# Altium PCB Xduino_Uno_Rev3.02.PcbDoc (part 1 of 3) (continued)
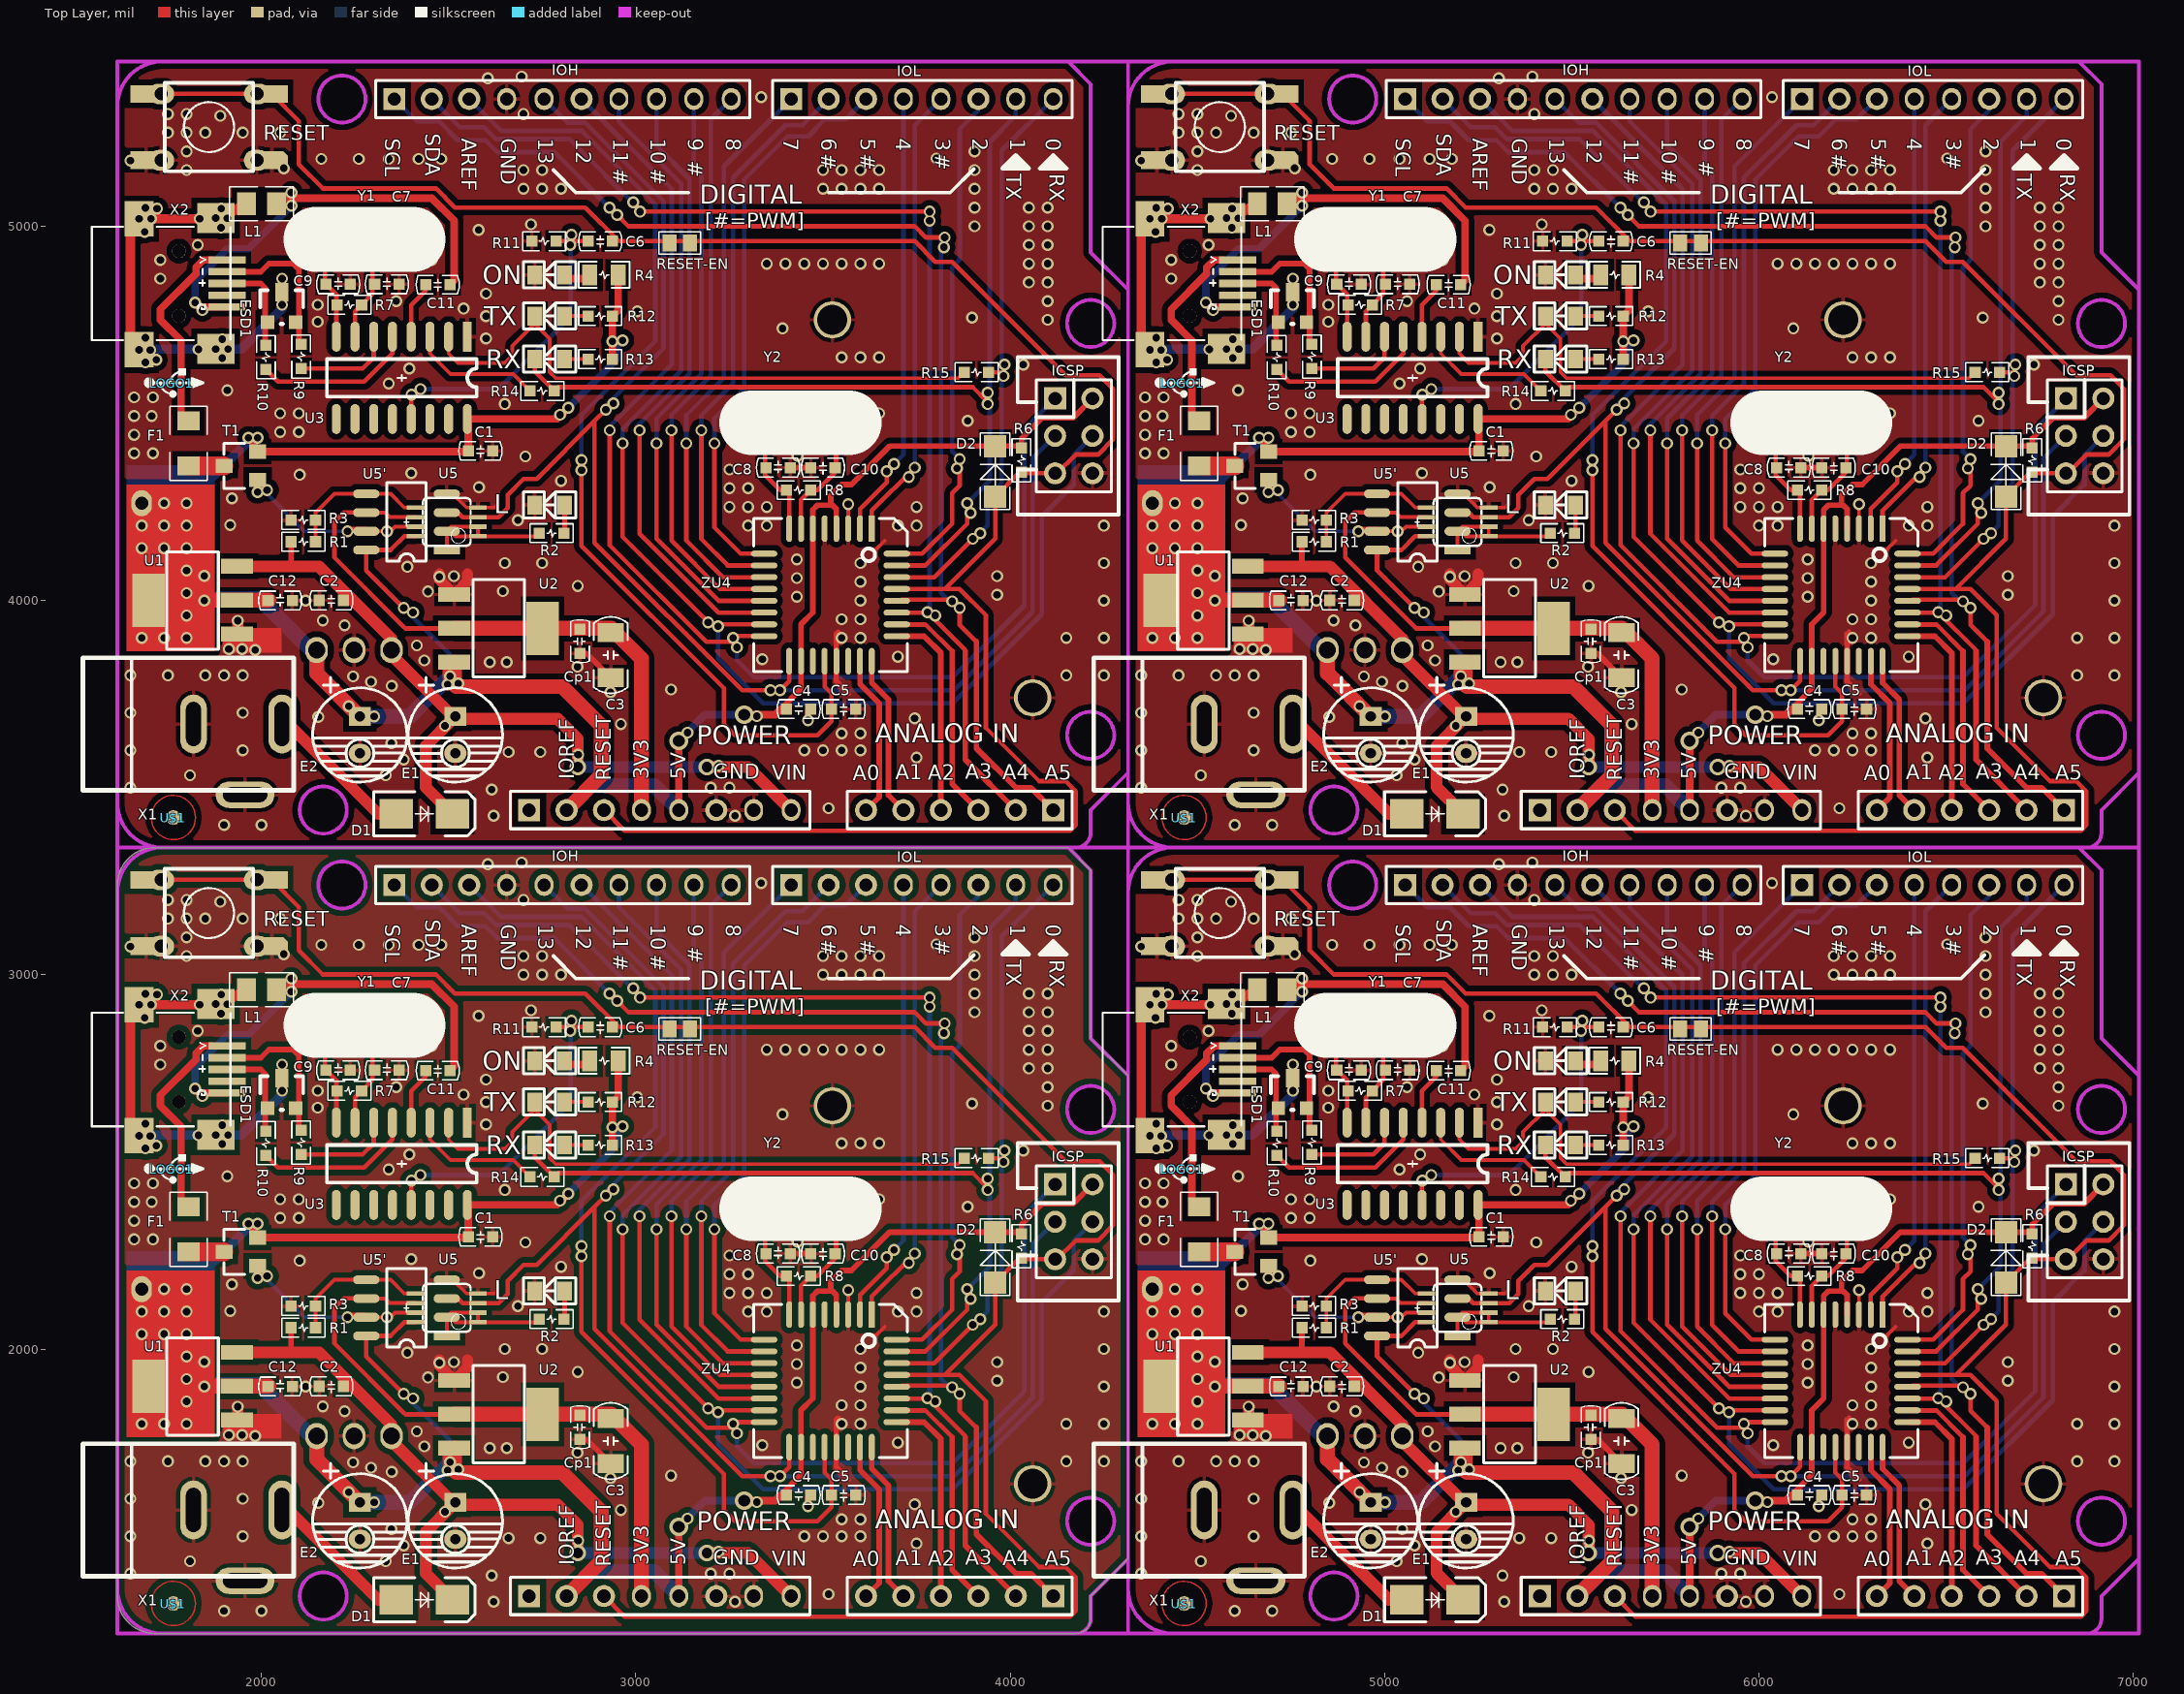
[diagram p0: Top Layer view]
## Components (designator, comment, footprint, x,y, rotation, side; value= is the part's Value field where it differs from the comment) (continued)
POWER "单排插座 1×9T" HDR1X8Z 2715,1340 r0 top
R1 "RC0603FR-0712KL" 0603R 4812,4157 r0 top
R1 "RC0603FR-0712KL" 0603R 2112,4157 r0 top
R1 "RC0603FR-0712KL" 0603R 4812,2057 r0 top
R1 "RC0603FR-0712KL" 0603R 2112,2057 r0 top
R2 "RC0603JR-073K6L" 0603R 5475,4180 r0 top
R2 "RC0603JR-073K6L" 0603R 2775,4180 r0 top
R2 "RC0603JR-073K6L" 0603R 5475,2080 r0 top
R2 "RC0603JR-073K6L" 0603R 2775,2080 r0 top
R3 "RC0603FR-0712KL" 0603R 4812,4215 r180 top
R3 "RC0603FR-0712KL" 0603R 2112,4215 r180 top
R3 "RC0603FR-0712KL" 0603R 4812,2115 r180 top
R3 "RC0603FR-0712KL" 0603R 2112,2115 r180 top
R4 "RC0805JR-072K2L" 0805/R 5615,4870 r0 top
R4 "RC0805JR-072K2L" 0805/R 2915,4870 r0 top
R4 "RC0805JR-072K2L" 0805/R 5615,2770 r0 top
R4 "RC0805JR-072K2L" 0805/R 2915,2770 r0 top
R6 "RC0603FR-0712KL" 0603R 6730,4375 r270 top
R6 "RC0603FR-0712KL" 0603R 4030,4375 r270 top
R6 "RC0603FR-0712KL" 0603R 6730,2275 r270 top
R6 "RC0603FR-0712KL" 0603R 4030,2275 r270 top
R7 "1MΩ" 0603R 4935,4790 r180 top
R7 "1MΩ" 0603R 2235,4790 r180 top
R7 "1MΩ" 0603R 4935,2690 r180 top
R7 "1MΩ" 0603R 2235,2690 r180 top
R8 "1MΩ" 0603R 6135,4295 r0 top
R8 "1MΩ" 0603R 3435,4295 r0 top
R8 "1MΩ" 0603R 6135,2195 r0 top
R8 "1MΩ" 0603R 3435,2195 r0 top
R9 "RC0603JR-0730RL" 0603R 4806,4652 r90 top
R9 "RC0603JR-0730RL" 0603R 2106,4652 r90 top
R9 "RC0603JR-0730RL" 0603R 4806,2552 r90 top
R9 "RC0603JR-0730RL" 0603R 2106,2552 r90 top
R10 "RC0603JR-0730RL" 0603R 4712,4650 r90 top
R10 "RC0603JR-0730RL" 0603R 2012,4650 r90 top
R10 "RC0603JR-0730RL" 0603R 4712,2550 r90 top
R10 "RC0603JR-0730RL" 0603R 2012,2550 r90 top
R11 "RC0603FR-0712KL" 0603R 5455,4960 r180 top
R11 "RC0603FR-0712KL" 0603R 2755,4960 r180 top
R11 "RC0603FR-0712KL" 0603R 5455,2860 r180 top
R11 "RC0603FR-0712KL" 0603R 2755,2860 r180 top
R12 "RC0603JR-073K6L" 0603R 5605,4760 r180 top
R12 "RC0603JR-073K6L" 0603R 2905,4760 r180 top
R12 "RC0603JR-073K6L" 0603R 5605,2660 r180 top
R12 "RC0603JR-073K6L" 0603R 2905,2660 r180 top
R13 "RC0603JR-073K6L" 0603R 5605,4645 r180 top
R13 "RC0603JR-073K6L" 0603R 2905,4645 r180 top
R13 "RC0603JR-073K6L" 0603R 5605,2545 r180 top
R13 "RC0603JR-073K6L" 0603R 2905,2545 r180 top
R14 "RC0603JR-07910RL" 0603R 5450,4560 r180 top
R14 "RC0603JR-07910RL" 0603R 2750,4560 r180 top
R14 "RC0603JR-07910RL" 0603R 5450,2460 r180 top
R14 "RC0603JR-07910RL" 0603R 2750,2460 r180 top
R15 "RC0603JR-07910RL" 0603R 6610,4610 r180 top
R15 "RC0603JR-07910RL" 0603R 3910,4610 r180 top
R15 "RC0603JR-07910RL" 0603R 6610,2510 r180 top
R15 "RC0603JR-07910RL" 0603R 3910,2510 r180 top
RESET "贴片按钮 6×6×7" 按钮/SO 4560,5265 r0 top
RESET "贴片按钮 6×6×7" 按钮/SO 1860,5265 r0 top
RESET "贴片按钮 6×6×7" 按钮/SO 4560,3165 r0 top
RESET "贴片按钮 6×6×7" 按钮/SO 1860,3165 r0 top
RESET-EN "" 0101 5790,4955 r0 top
RESET-EN "" 0101 3090,4955 r0 top
RESET-EN "" 0101 5790,2855 r0 top
RESET-EN "" 0101 3090,2855 r0 top
RX "BL-HRB35A-TRB (0805 黄色)" LED0805-Y 5470,4645 r180 top
RX "BL-HRB35A-TRB (0805 黄色)" LED0805-Y 2770,4645 r180 top
RX "BL-HRB35A-TRB (0805 黄色)" LED0805-Y 5470,2545 r180 top
RX "BL-HRB35A-TRB (0805 黄色)" LED0805-Y 2770,2545 r180 top
T1 "IRLML6402TRPBF" MOSFET 4645,4360 r90 top
T1 "IRLML6402TRPBF" MOSFET 1945,4360 r90 top
T1 "IRLML6402TRPBF" MOSFET 4645,2260 r90 top
T1 "IRLML6402TRPBF" MOSFET 1945,2260 r90 top
TX "BL-HRB35A-TRB (0805 黄色)" LED0805-Y 5470,4760 r180 top
TX "BL-HRB35A-TRB (0805 黄色)" LED0805-Y 2770,4760 r180 top
TX "BL-HRB35A-TRB (0805 黄色)" LED0805-Y 5470,2660 r180 top
TX "BL-HRB35A-TRB (0805 黄色)" LED0805-Y 2770,2660 r180 top
U1 "LM1117-5.0" SOT223 4635,3910 r90 top
U1 "LM1117-5.0" SOT223 1935,3910 r90 top
U1 "LM1117-5.0" SOT223 4635,1810 r90 top
U1 "LM1117-5.0" SOT223 1935,1810 r90 top
U2 "LM1117MPX-3.3" SOT223 5215,4016 r270 top
U2 "LM1117MPX-3.3" SOT223 2515,4016 r270 top
U2 "LM1117MPX-3.3" SOT223 5215,1916 r270 top
U2 "LM1117MPX-3.3" SOT223 2515,1916 r270 top
U3 "CH340G SOP16" SO-16 5075,4595 r270 top
U3 "CH340G SOP16" SO-16 2375,4595 r270 top
U3 "CH340G SOP16" SO-16 5075,2495 r270 top
U3 "CH340G SOP16" SO-16 2375,2495 r270 top
U5 "LMV358IDGKR" MSOP8-0.65 5195,4210 r180 top
U5 "LMV358IDGKR" MSOP8-0.65 2495,4210 r180 top
U5 "LMV358IDGKR" MSOP8-0.65 5195,2110 r180 top
U5 "LMV358IDGKR" MSOP8-0.65 2495,2110 r180 top
U5' "LMV358IDR" so-8 5195,4135 r180 top
U5' "LMV358IDR" so-8 2495,4135 r180 top
U5' "LMV358IDR" so-8 5195,2035 r180 top
U5' "LMV358IDR" so-8 2495,2035 r180 top
U$1 "*" MARK 4465,3420 r0 top
U$1 "*" MARK 1765,3420 r0 top
U$1 "*" MARK 4465,1320 r0 top
U$1 "*" MARK 1765,1320 r0 top
X1 "DC插座 WD-DCPJ-S3RYB2-N-055" DC_IN 4518.41,3670 r90 top
X1 "DC插座 WD-DCPJ-S3RYB2-N-055" DC_IN 1818.41,3670 r90 top
X1 "DC插座 WD-DCPJ-S3RYB2-N-055" DC_IN 4518.41,1570 r90 top
X1 "DC插座 WD-DCPJ-S3RYB2-N-055" DC_IN 1818.41,1570 r90 top
X2 "MINIUSB" USB-MINI3 4608,4847 r270 top
X2 "MINIUSB" USB-MINI3 1908,4847 r270 top
X2 "MINIUSB" USB-MINI3 4608,2747 r270 top
X2 "MINIUSB" USB-MINI3 1908,2747 r270 top
Y1 "12MHz-49S" XTAL-49S 4975,4965 r180 top
Y1 "12MHz-49S" XTAL-49S 2275,4965 r180 top
Y1 "12MHz-49S" XTAL-49S 4975,2865 r180 top
Y1 "12MHz-49S" XTAL-49S 2275,2865 r180 top
Y2 "16MHz-49S" XTAL-49S 6140,4475 r0 top
Y2 "16MHz-49S" XTAL-49S 3440,4475 r0 top
Y2 "16MHz-49S" XTAL-49S 6140,2375 r0 top
Y2 "16MHz-49S" XTAL-49S 3440,2375 r0 top
ZU4 "ATMEGA328P_32LQFP" LQFP32 6220,4015 r270 top
ZU4 "ATMEGA328P_32LQFP" LQFP32 3520,4015 r270 top
ZU4 "ATMEGA328P_32LQFP" LQFP32 6220,1915 r270 top
ZU4 "ATMEGA328P_32LQFP" LQFP32 3520,1915 r270 top

## Footprints (in the part's own frame and the unit in brackets; to place one, negate y for a bottom-side part, rotate by r counter-clockwise, add the part's x,y. Pads: shape width x height; smd on the part's side, far side on the other; paste and mask are expansions set on the pad)
0101 [mil]
  rect 38x45 smd: 1(0,0) 2(55,0)
  silkscreen extent -28,-30 83,30
0603C [mil]
  rect 30x30 smd: 1(-32.5,0) 2(32.5,0)
  silkscreen extent -58,-25 58,25, body extent -29,-15 33,16, height 18
0603R [mil] "FT封?"
  rect 30x30 smd: 1(-32.5,0) 2(32.5,0)
  silkscreen extent -58,-25 58,25, body extent -31,-14 32,17, height 18
0805/R [mil]
  rect 40x55 smd: 1(-38,0) 2(38,0)
  silkscreen extent -68,-35 68,35, body extent -39,-25 40,25, height 22
1206C [mil]
  rect 50x70 smd: 1(-60,0) 2(60,0)
  silkscreen extent -102,-45 102,45, body extent -64,-31 62,32, height 22
D1206 [mil]
  rect 60x60 smd: A(-67.5,0) K(67.5,0)
  silkscreen extent -102,-40 102,40, body extent -66,-30 71,29, height 59
DC_IN [mm] "电?"
  oval 4x1.8 hole 1 slot 3 at 0 deg: 1(0,0) 3(0,-6)
  oval 1.8x4 hole 1 slot 3 at 90 deg: 2(-4.8,-3.5)
  silkscreen extent -4.5,-6.8 4.5,7.5, body extent -4.78,-6.26 4.73,7.56, height 11.25
HDR1X6Z [mm] "Connector; Header; 5 Position"
  rect 1.5x1.5 hole 0.9: 1(0,0)
  round 1.5 hole 0.9: 2(2.54,0) 3(5.08,0) 4(7.62,0) 5(10.16,0) 6(12.7,0)
  silkscreen extent -1.27,-1.27 13.97,1.27, body extent -1.27,-1.25 13.97,1.25, height 8.65
HDR1X8Z [mm] "Connector; Header; 8 Position"
  rect 1.5x1.5 hole 0.9: 1(0,0)
  round 1.5 hole 0.9: 2(2.54,0) 3(5.08,0) 6(12.7,0)
  oval 1.27x1.5 hole 0.9: 4(7.62,0) 5(10.16,0) 7(15.24,0) 8(17.78,0)
  silkscreen extent -1.27,-1.27 19.05,1.27, body extent -1.27,-1.25 19.05,1.25, height 8.65
HDR1X10Z [mm] "Connector; Header; 10 Position"
  rect 1.5x1.5 hole 0.9: 1(0,0)
  round 1.5 hole 0.9: 2(2.54,0) 3(5.08,0) 6(12.7,0)
  oval 1.27x1.5 hole 0.9: 4(7.62,0) 5(10.16,0) 7(15.24,0) 8(17.78,0) 9(20.32,0) 10(22.86,0)
  silkscreen extent -1.27,-1.27 24.13,1.27, body extent -1.27,-1.25 24.13,1.25, height 8.65
HDR2X3 [mm] "Connector; Header; 3x2 Position"
  rect 1.5x1.5 hole 0.9: 1(0,0)
  round 1.5 hole 0.9: 2(0,2.54) 3(2.54,0) 4(2.54,2.54) 5(5.08,0) 6(5.08,2.54)
  silkscreen extent -1.27,-1.27 6.35,3.81, body extent -1.28,-1.27 6.34,3.81, height 8.7
L0805 [mil]
  rect 50x60 smd: 1(-40,0) 2(40,0)
  silkscreen extent -85,-45 85,45, body extent -39,-23 39,24, height 37
L1206 [mil]
  rect 50x60 smd: 1(-60,0) 2(60,0)
  silkscreen extent -99,-50 99,50, body extent -61,-32 65,31, height 43
LED0805-R [mil] "蓝?"
  rect 40x50 smd: A(-40,0) K(40,0)
  silkscreen extent -70,-35 70,35, body extent -41,-27 41,27, height 35
LED0805-Y [mil] "蓝?"
  rect 40x50 smd: A(-40,0) K(40,0)
  silkscreen extent -70,-35 70,35, body extent -40,-25 40,25, height 43
LQFP32 [mm] "RS_R5F212G4"
  rect 1.8x0.4 smd: 1(-4.5,2.8)
  oval 1.8x0.4 smd: 2(-4.5,2) 3(-4.5,1.2) 4(-4.5,0.4) 5(-4.5,-0.4) 6(-4.5,-1.2) 7(-4.5,-2) 8(-4.5,-2.8) 17(4.5,-2.8) 18(4.5,-2) 19(4.5,-1.2) 20(4.5,-0.4) 21(4.5,0.4) 22(4.5,1.2) 23(4.5,2) 24(4.5,2.8)
  oval 0.4x1.8 smd: 9(-2.8,-4.502) 10(-2,-4.502) 11(-1.2,-4.502) 12(-0.4,-4.502) 13(0.4,-4.502) 14(1.2,-4.502) 15(2,-4.502) 16(2.8,-4.502) 25(2.8,4.498) 26(2,4.498) 27(1.2,4.498) 28(0.4,4.498) 29(-0.4,4.498) 30(-1.2,4.498) 31(-2,4.498) 32(-2.8,4.498)
  silkscreen extent -5.2,-5.2 5.2,5.2, body extent -4.5,-4.5 4.5,4.5, height 1.6
M7 [mil] "FT lib"
  rect 89.37x80 smd: A(-75,0) K(75,0)
  silkscreen extent -135,-59 135,59, body extent -88,-52 94,54, height 94
MARK [mm]
  round 3.1 on Top Solder: 0(0,0)
  round 1 smd: 1(0,0)
  Top Layer circle w0.1: c-0.007,0.005 r1.5
MOSFET [mil]
  rect 38x45 smd: 1(0,45) 2(38,-45) 3(-38,-45)
  silkscreen extent -60,-10 60,45, body extent -57,-53 57,57
MSOP8-0.65 [mm] "LMV358IDGKR 3x3mm body, 0.65mm"
  rect 1.2x0.3 smd: 1(-2.113,0.976) 2(-2.113,0.326) 3(-2.113,-0.324) 4(-2.113,-0.974) 5(2.112,-0.974) 6(2.112,-0.324) 7(2.112,0.326) 8(2.112,0.976)
  silkscreen extent -1.63,-1.62 1.62,1.63, body extent -2.45,-1.5 2.45,1.5, height 1.15
"RB 6.3×11×2.5" [mm] "Mol"
  rect 1.3x1.5 hole 0.7: 1(-1.25,0)
  oval 1.3x1.5 hole 0.7: 2(1.25,0)
  silkscreen extent -3.89,-3.2 3.2,3.2, body extent -3.18,-3.18 3.18,3.18, height 11.53
so-8 [mil] "485\eeprom"
  rect 70x24 smd: 1(0,0)
  oval 70x24 smd: 2(0,-50) 3(0,-100) 4(0,-150) 5(215,-150) 6(215,-100) 7(215,-50) 8(215,0)
  silkscreen extent 55,-180 160,30, body extent -8,-171 228,21, height 67
SO-16 [mil]
  rect 80x24 smd: 1(-110,175)
  oval 80x24 smd: 2(-110,125) 3(-110,75) 4(-110,25) 5(-110,-25) 6(-110,-75) 7(-110,-125) 8(-110,-175) 9(110,-175) 10(110,-125) 11(110,-75) 12(110,-25) 13(110,25) 14(110,75) 15(110,125) 16(110,175)
  silkscreen extent -50,-200 50,200, body extent -149,-197 151,197, height 66
SOT223 [mil]
  rect 141.73x86.61 smd: 0(90.55,236.22)
  rect 40x85 smd: 1(0,0) 2(90.55,0) 3(181.1,0)
  silkscreen extent -40,50 220,188, body extent -38,-17 218,257
SOT-23 [mil]
  rect 36x36 smd: 1(-37.5,-40) 2(37.5,-40)
  rect 36x50 smd: 3(0.5,40)
  silkscreen extent -58,-45 58,45, body extent -57,-52 57,58
USB-MINI3 [mil] "SMD"
  rect 20x100 smd: 1(-62.99,0) 2(-31.5,0) 3(0,0) 4(31.5,0) 5(62.99,0)
  rect 80x100 smd: 6(-175,-30) 6(175,-30)
  rect 94.49x76.77 smd: 6(-173.23,-234.72) 6(177.17,-234.72)
  round 37 hole 37 unplated: 10(86.61,-128.43) 11(-86.61,-128.43)
  silkscreen extent -152,-361 152,9, body extent -195,-358 195,12, height 154
USB_LOGO [mil]
  silkscreen extent -41,-67 33,84
XTAL-49S [mil] "3p"
  round 35 hole 25: 1(-95,0) 2(95,0)
  round 60 smd far side: 1(-95,0) 2(95,0)
  round 50 hole 30: 3(0,0)
  silkscreen extent -130,-87 130,87, body extent -211,-89 214,88, height 158
按钮/SO [mm]
  rect 2.2x1.2 smd: 1(-4.25,2.25) 1(4.25,2.25) 2(-4.25,-2.25)
  oct 2.2x1.2 smd: 2(4.25,-2.25)
  silkscreen extent -3,-3 3,3, body extent -4.97,-3.03 5.03,2.97, height 4.44

## Part data
"ANALOG IN" "ANALOG IN" "ANALOG IN" "ANALOG IN": library part "Header 6", "Header, 6-Pin"
C1 C1 C1 C1 C2 C2 C2 C2 C4 C4 C4 C4 C5 C5 C5 C5 C6 C6 C6 C6 C7 C7 C7 C7 C8 C8 C8 C8 C9 C9 C9 C9 C10 C10 C10 C10 C11 C11 C11 C11 C12 C12 C12 C12 Cp1 Cp1 Cp1 Cp1: library part Cap, "Capacitor"
C3 C3 C3 C3: library part CAP, "Capacitor"
D1 D1 D1 D1: "D"
D2 D2 D2 D2: library part M7, "D"
E1 E1 E1 E1 E2 E2 E2 E2: library part E
ESD1 ESD1 ESD1 ESD1: library part ESD1
F1 F1 F1 F1 L1 L1 L1 L1: library part L, "BLM21"
GROUND GROUND GROUND GROUND RESET-EN RESET-EN RESET-EN RESET-EN: library part SW-SPST, "Single-Pole, Single-Throw Switch"
ICSP ICSP ICSP ICSP: library part "Header 3X2", "Header, 3-Pin, Dual row"
IOH IOH IOH IOH: library part "Header 10", "Header, 10-Pin"
IOL IOL IOL IOL POWER POWER POWER POWER: library part "Header 8", "Header, 8-Pin"
L L L L ON ON ON ON RX RX RX RX TX TX TX TX: library part LED
R1 R1 R1 R1 R2 R2 R2 R2 R3 R3 R3 R3 R4 R4 R4 R4 R6 R6 R6 R6 R7 R7 R7 R7 R8 R8 R8 R8 R9 R9 R9 R9 R10 R10 R10 R10 R11 R11 R11 R11 R12 R12 R12 R12 R13 R13 R13 R13 R14 R14 R14 R14 R15 R15 R15 R15: library part R, "Resistor"
RESET RESET RESET RESET: library part SW-PB, "Sw"
T1 T1 T1 T1: library part PMOSSOT23
U1 U1 U1 U1 U2 U2 U2 U2: library part LM1117
U3 U3 U3 U3: library part CH340G
U5 U5 U5 U5 U5' U5' U5' U5': library part LMV358MMX
U$1 U$1 U$1 U$1: library part DISCLAIMER
X1 X1 X1 X1: library part DC_IN, "POWERSUPPLY_DC21MMX"
X2 X2 X2 X2: library part USB-B_MINI, "USB"
Y1 Y1 Y1 Y1 Y2 Y2 Y2 Y2: library part XTAL1, "3pXTAL"
ZU4 ZU4 ZU4 ZU4: "Arduino ATMEGA328P"

## Free pads (board coordinates)
  oval 55x70 hole 35: 0(1680,2160) 0(1680,4260) 0(4380,2160) 0(4380,4260)
  oval 70x55 hole 35: 0(1732.05,3253.58) 0(1732.05,5353.58) 0(4432.05,3253.58) 0(4432.05,5353.58) 1(1987.95,3253.58) 1(1987.95,5353.58) 1(4687.95,3253.58) 1(4687.95,5353.58) 2(1987.95,3076.42) 2(1987.95,5176.42) 2(4687.95,3076.42) 2(4687.95,5176.42) 3(1732.05,3076.42) 3(1732.05,5176.42) 3(4432.05,3076.42) 3(4432.05,5176.42)
  oval 60x70 hole 45: 0(2347.5,1767.5) 0(2347.5,3867.5) 0(5047.5,1767.5) 0(5047.5,3867.5) 1(2247.5,1767.5) 1(2247.5,3867.5) 1(4947.5,1767.5) 1(4947.5,3867.5) 2(2147.5,1767.5) 2(2147.5,3867.5) 2(4847.5,1767.5) 2(4847.5,3867.5)
  round 100 hole 80: 0(3525,2650) 0(3525,4750) 0(6225,2650) 0(6225,4750) 1(4060,1640) 1(4060,3740) 1(6760,1640) 1(6760,3740)

## Via types
v1: diameter 32, hole 20, Top Layer to Bottom Layer, 1252 vias
v2: diameter 45, hole 28, Top Layer to Bottom Layer, 8 vias
v3: diameter 50, hole 32, Top Layer to Bottom Layer, 8 vias

## Nets (pads, with @x,y where several pads share a name; then routed paths per layer and width w, separated by ;. In a path a pad name is that pad's centre, name@x,y a point inside that pad or via, vN(x,y) a via of type N, cw(c..) or ccw(c..) an arc to the next point about the centre after c; other vN are vias at no path point)
+3V3: C3.2@2933,1814 Cp1.1@2851,1823.5 POWER.4@3015,1340 U2.0@2751.22,1825.45 U2.2@2515,1825.45 U5'.6@2280,2135 U5.6@2411.85,2122.76 | length 1649.1
  Top Layer w10: U5'.6@2280,2135 2330,2135 2342.24,2122.76 U5.6@2411.85,2122.76
  Top Layer w12: U5'.6@2280,2135 2220,2135 2195,2110 2195,2015 2380,1830 2384.55,1825.45 U2.2@2500,1825.45
  Top Layer w40: U2.2@2515,1825.45 U2.0@2751.22,1825.45 2934.55,1825.45 3015,1745 POWER.4@3015,1340
+5V: C1.1@2552.5,2300 C4.2@3402.5,1610 C12.2@2017.5,1900 D2.K@3960,2312.5 E2.1@2263,1590.21 ICSP.2@4220,2440 pad.0@1680,2160 pad.2@2147.5,1767.5 POWER.2@2815,1340 POWER.5@3115,1340 R4.2@2953,2770 R6.1@4030,2307.5 R12.1@2937.5,2660 R13.1@2937.5,2545 T1.2@1990,2298 U1.0@1698.78,1900.55 U1.2@1935,1900.55 U2.3@2515,1734.9 U3.16@2550,2385 U5'.8@2280,2035 U5.8@2411.85,2071.57 ZU4.4@3535.75,2092.17 ZU4.6@3472.76,2092.17 ZU4.18@3441.26,1737.83 | length 6548.4
  Top Layer w12: v1(2380,1880) 2280,1980 U5'.8@2280,2035 2345,2035 2381.57,2071.57 U5.8@2411.85,2071.57 ; U2.3@2504,1723.9 2498,1729.9 U2.3@2510,1729.9
  Top Layer w15: C4.2@3387.5,1610 3441.34,1663.84 3441.34,1836.34 3472.76,1867.76 ZU4.6@3472.76,2092.17 3472.76,2142.76 3485,2155 3520.83,2155 ; ZU4.4@3535.75,2092.17 3535.75,2144.25 3525,2155 3520.83,2155 ; ICSP.2@4220,2440 4168,2388 4085,2388 4030,2333 R6.1@4030,2307.5 4025,2312.5 D2.K@3960,2312.5 3678.33,2312.5 3575.83,2210 3550,2210 3520.83,2180.83 3520.83,2155
  Top Layer w20: T1.2@1980,2295 v1@1980,2332 ; T1.2@1990,2298 2550.5,2298 C1.1@2552.5,2300 2552.5,2382.5 U3.16@2550,2385 2790,2385 v1@2815,2410 ; R13.1@2937.5,2555 v1(2937.5,2592.5) R12.1@2937.5,2660 2953,2675.5 R4.2@2953,2770 ; POWER.5@3115,1340 v3(3115,1525) ; v3(3290,1595) 3372.5,1595 C4.2@3387.5,1610
  Top Layer w25: U2.3@2510,1729.9 U2.3@2515,1734.9
  Top Layer w40: U1.0@1698.78,1900.55 U1.2@1935,1900.55 C12.2@2019.05,1900.55 ; pad.2@2147.5,1752.5 2147.5,1705.71 E2.1@2263,1590.21 ; v1(2504,1698) U2.3@2504,1723.9 ; U2.3@2515,1734.9 2515,1675 2520,1670 2804,1670 2907.5,1566.5 2907.5,1432.5 POWER.2@2815,1340
  Bottom Layer w12: v1(2380,1880) 2504,1756 v1(2504,1698)
  Bottom Layer w20: 1833,2174 1833,2178 ; v1@2815,2410 v1(2820,2415) 2948,2543 2948,2578 v1(2965,2595) ; v3(3115,1525) 3185,1595 v3(3290,1595)
  Bottom Layer w25: 1865,2225 v1@1975,2335
  Bottom Layer w40: 1865,1905 1995,1905 pad.2@2147.5,1752.5 ; E2.1@2263,1590.21 2396.21,1590.21 v1(2504,1698) v1@2504,1684.21 ; POWER.2@2815,1340 2880,1405 3050,1405 POWER.5@3115,1340
  other v1: 3138,1547 2301,1590 3323,1591 2233.21,1617.79 2497,1676 2526,1678 1680,1800 1740,1800 1800,1800 1800,1860 2405,1868 1847,1900 1800,1920 1847,1966 1800,1980 1680,2040 1740,2040 1800,2040 1680,2100 1740,2100 1800,2100 1740,2160 1800,2160 1965,2335 1990,2335 2797.65,2396.41
AD0: "ANALOG IN.6"@3615,1340 ZU4.23@3598.74,1737.83 | length 423.7
  Top Layer w15: ZU4.23@3598.82,1728.01 3598.82,1676.18 3650,1625 3650,1375 3615,1340
AD1: "ANALOG IN.5"@3715,1340 ZU4.24@3630.24,1737.83 | length 423.1
  Top Layer w15: ZU4.24@3630.31,1728.01 3630.31,1680.04 3675,1635.36 3675,1380 3715,1340
AD2: "ANALOG IN.4"@3815,1340 ZU4.25@3697.09,1804.78 | length 546.5
  Top Layer w15: ZU4.25@3707.09,1804.78 3770.22,1804.78 3815,1760 3815,1340
AD3: "ANALOG IN.3"@3915,1340 ZU4.26@3697.09,1836.27 | length 621.4
  Top Layer w12: ZU4.26@3707.09,1836.27 3707.59,1835.77 3774.23,1835.77 3845,1765
  Top Layer w15: 3845,1765 3845,1410 3915,1340
AD4/SDA: "ANALOG IN.2"@4015,1340 IOH.2@2455,3240 ZU4.27@3697.09,1867.77 | length 3231.2
  Top Layer w12: v1(2993,2964) 3011,2946 v1(3011,2939) v1(3785,2939) ; ZU4.27@3707.09,1867.77 v1@3780,1867.77 ; v1(3779,1868.77) v1@3780,1867.77 ; 3880,1765 3880,1767.77 v1@3780,1867.77
  Top Layer w15: 3880,1765 3880,1475 4015,1340
  Bottom Layer w12: IOH.2@2455,3240 2530,3165 2595,3165 2627,3133 2822,3133 v1@3010,2945 ; v1@3782.77,1867.77 3785,1870 v1(3785,2915)
  other v1: 3800,1860
AD5/SCL: "ANALOG IN.1"@4115,1340 IOH.1@2355,3240 ZU4.28@3697.09,1899.27 | length 3449.1
  Top Layer w12: v1(2950,2930) 2980,2900 3745,2900 3775,2870 v1(3825,2870) ; ZU4.28@3707.09,1899.27 3709.82,1902 3847,1902 v1@3867,1882 ; v1(3865,1880) 3865,1835 3910,1790
  Top Layer w15: 3910,1790 3910,1505 4015,1400 4055,1400 4115,1340
  Bottom Layer w12: IOH.1@2355,3240 2415,3180 2475,3180 2525,3130 2598.89,3130 2630.89,3098 2782,3098 v1(2930,2950) v1(2950,2930) ; v1(3825,2870) 3815,2860 3815,1920 v1@3840,1895
  other v1: 3845,1898 3823,2844
AREF: C5.1@3522.5,1610 IOH.3@2555,3240 ZU4.20@3504.25,1737.83 | length 2714.3
  Top Layer w12: v1(2855,2275) v1(2855,2248) 2855,2046 3235,1666 3235,1570 3265,1540 3485,1540 3522.5,1577.5 C5.1@3522.5,1610 3522.5,1651.83 3504.33,1670 ZU4.20@3504.33,1728.01
  Bottom Layer w12: IOH.3@2555,3240 2640,3155 2855,3155 3052,2958 3052,2593.11 2855,2396.11 v1(2855,2275)
CMP: R1.2@2144.5,2057 R3.1@2144.5,2115 U5'.5@2280,2185 U5.5@2411.85,2148.35 | length 380.9
  Top Layer w10: R1.2@2144.5,2057 R3.1@2144.5,2115 2144.5,2134.5 2195,2185 U5'.5@2280,2185 2345,2185 2381.65,2148.35 U5.5@2411.85,2148.35
DTR: C6.1@2872.5,2860 R11.1@2787.5,2860 U3.13@2400,2385 | length 884.3
  Top Layer w12: U3.13@2400,2385 2400,2440 v1(2425,2465) ; R11.1@2787.5,2860 v1@2826,2860 ; v1@2828,2860 C6.1@2872.5,2860
  Bottom Layer w12: v1(2401,2450) 2410,2450 v1(2425,2465) ; 2445,2465 2633,2465 2826,2658 2826,2875 v1(2828,2877)
  other v1: 2825,2850
GATE_CMD: T1.3@1990,2222 U5'.7@2280,2085 U5.7@2411.85,2097.17 | length 649.3
  Top Layer w10: v1@1990,2185 T1.3@1990,2222 ; v1@2222.83,2092.17 U5'.7@2276.85,2092.17 ; v1(2230,2085) U5'.7@2280,2085 v1(2335,2085) 2345,2085 2357.17,2097.17 U5.7@2411.85,2097.17
  Bottom Layer w10: v1(2015,2195) 2015,2185 2115,2085 v1(2230,2085) v1(2335,2085)
  other v1: 1990,2190
GND: C1.2@2617.5,2300 C2.1@2154,1900.37 C3.1@2933,1694 C4.1@3467.5,1610 C5.2@3587.5,1610 C7.1@2367.5,2745 C8.1@3412.5,2255 C9.1@2237.5,2745 C10.1@3467.5,2255 C12.1@2082.5,1900 Cp1.2@2851,1758.5 E1.2@2518,1491.78 E2.2@2263,1491.78 GROUND.2@2160,2975 ICSP.6@4220,2240 IOH.4@2655,3240 L.K@2730,2155 ON.K@2730,2770 pad.0@3525,2650 pad.1@2247.5,1767.5 pad.1@4060,1640 pad.2@1987.95,3076.42 pad.3@1732.05,3076.42 POWER.6@3215,1340 POWER.7@3315,1340 R3.2@2079.5,2115 R11.2@2722.5,2860 RESET.2@1692.68,3076.42 RESET.2@2027.32,3076.42 U1.1@1935,1810 U2.1@2515,1916 U3.1@2550,2605 U5'.4@2495,2185 U5.4@2578.19,2148.35 X1.1@1818.41,1570 X1.2@1956.2,1381.02 Y1.3@2275,2865 Y2.3@3440,2375 ZU4.3@3567.24,2092.17 ZU4.5@3504.25,2092.17 ZU4.21@3535.75,1737.83 | length 800.1
  Top Layer w10: U5'.4@2495,2185 2511,2185 2547.65,2148.35 U5.4@2578.19,2148.35 2622.35,2148.35 2627,2153 ; 3560,1660 3570,1650 ; ZU4.3@3567.24,2092.17 v1(3567.24,2157.24) ; 3640,2035 3665,2060
  Top Layer w15: Cp1.2@2851,1758.5 2868.5,1758.5 C3.1@2933,1694 ; C8.1@3407.5,2255 C10.1@3457.5,2255 ; v1(3460,1580) 3460,1602.5 C4.1@3467.5,1610 ; 3540,1815 3535.83,1810.83 3535.83,1684.17 3560,1660
  Top Layer w30: U1.1@1935,1810 1937,1812 v1(1937,1846) ; v1@2475,1971 2475,1956 U2.1@2515,1916 2550,1951 2550,1971
  other v1: 1900,1300 2000,1300 2620,1325 3265,1325 3515,1345 2615,1395 1650,1400 3200,1400 3250,1400 1809.16,1432.98 2332,1433 2380,1475 3750,1480 2660,1495 2745,1495 1650,1500 1950,1500 3450,1500 3500,1500 3550,1500 3600,1500 2347,1519 3550,1545 3600,1545 2960,1570 3745,1585 2152,1589 1650,1600 1950,1600 2932,1655 3094,1662 2348,1672 2293,1683 2245,1697 1650,1700 1750,1700 1850,1700 1900,1700 1950,1700 4150,1700 4250,1700 2844,1723 2610,1735 2655,1735 2435,1740 3338,1743 3700,1750 1983,1768 1913,1770 1948,1770 2415,1780 3550,1800 3600,1800 4150,1800 4250,1800 2222,1834 2164,1847 3550,1850 3600,1850 2118,1900 3600,1900 4250,1900 3430,1910 3965,1915 2445,1924 2645,1925 2845,1939 3600,1950 3430,1960 2475,1963.5 2514,1965 3965,1965 2390,1990 2650,2000 2750,2000 3600,2000 4250,2000 3430,2010 3300,2100 3350,2100 3700,2100 3750,2100 4250,2100 1916.5,2102 2685,2115 3250,2150 3300,2150 3350,2150 3750,2150 1921,2173 3250,2200 3300,2200 2581,2203 2800,2220 2102,2236 2400,2240 3250,2250 2705,2285 3432,2287 1660,2293 1710,2293 1660,2343 2050,2350 2100,2350 3886.41,2380 1660,2393 1707,2393 2050,2400 2100,2400 3650,2400 2650,2425 1660,2443 1710,2443 1909,2462 2340,2480 2395,2520 4035,2530 3550,2550 3600,2550 3650,2550 2600,2600 3392,2627 2150,2645 4100,2650 3898,2656 2600,2660 3004,2673 2540,2680 2150,2690 2360,2700 4100,2700 2600,2720 4050,2750 4100,2750 1730,2760 3350,2800 3400,2800 3450,2800 3500,2800 3550,2800 3600,2800 3650,2800 4050,2800 4100,2800 1730,2810 2455,2810 2100,2845 1830,2850 4050,2850 4100,2850 2580,2890 3905,2900 4050,2900 4100,2900 2100,2905 2720,2905 2265,2930 3905,2950 4050,2950 4100,2950 2700,3000 2750,3000 2800,3000 3500,3000 3550,3000 3600,3000 3650,3000 3905,3000 1800,3050 2700,3050 2750,3050 3500,3050 3550,3050 3600,3050 3650,3050 3905,3050 2060,3055 1650,3075 2160,3080 2260,3080 2340,3080 2420,3080 2480,3080 3803,3081 1800,3100 3905,3100 1750,3150 1800,3150 1850,3150 1950,3150 2050,3150 1890,3195 1750,3200 1800,3200 2700,3200 3335,3245 2605,3295 2695,3300
IO0: IOL.8@4115,3240 R15.1@3942.5,2510 ZU4.30@3697.09,1962.26 | length 1516.6
  Top Layer w12: ZU4.30@3707.09,1962.26 3797.26,1962.26 3915,2080 v1(3920,2080) ; R15.1@3942.5,2510 3972.5,2510 v1(3982.5,2500)
  Bottom Layer w12: v1(3920,2080) 3940,2100 3940,2175 3977.5,2212.5 v1@3977.5,2500 ; v1@3977.5,2530 3977.5,3102.5 IOL.8@4115,3240
  other v1: 3900,2065 3985,2530
IO1: IOL.7@4015,3240 R14.1@2782.5,2460 RX.K@2730,2545 ZU4.31@3697.09,1993.75 | length 2769.1
  Top Layer w12: RX.K@2730,2545 2730,2512.5 R14.1@2782.5,2460 2792.5,2470 3900,2470 v1@3940,2430 ; ZU4.31@3707.09,1993.75 3773.75,1993.75 3885,2105 v1(3885,2160) ; v1(3940,2455) v1(3940,2425) v1@3942.5,2427.5
  Bottom Layer w12: v1(3885,2160) 3945.5,2220.5 3945.5,2435.5 3945.5,3125.5 4015,3195 IOL.7@4015,3240 ; v1(3940,2425) v1(3940,2455) v1@3945.5,2460.5
  other v1: 3894,2134
IO2: IOL.6@3915,3240 ZU4.32@3697.09,2025.25 | length 1351.5
  Top Layer w12: ZU4.32@3707.09,2025.25 3765.25,2025.25 3845,2105 3845,2187 3865,2207 v1(3865,2278)
  Bottom Layer w12: v1(3865,2278) 3845,2298 3845,2790 3865,2810 3865,3160 3915,3210 IOL.6@3915,3240
  other v1: 3858,2253
IO3: IOL.5@3815,3240 ZU4.1@3630.24,2092.17 | length 1235.7
  Top Layer w12: ZU4.1@3630.31,2102.02 3630.31,2140.31 v1(3745,2255)
  Bottom Layer w12: v1(3745,2255) 3745,3170 IOL.5@3815,3240 IOL.5@3830,3225
  other v1: 3729,2230
IO4: IOL.4@3715,3240 ZU4.2@3598.74,2092.17 | length 1196
  Top Layer w12: ZU4.2@3598.74,2092.17 3598.82,2092.24 3598.82,2145 3670,2216.18 v1(3670,2245) v1(3690,2265)
  Bottom Layer w12: v1(3690,2265) 3715,2290 IOL.4@3715,3240
IO5: IOL.3@3615,3240 ZU4.9@3342.76,2025.25 | length 1529
  Top Layer w12: v1(3210,2320) 3210,2095.25 3280,2025.25 ZU4.9@3333.07,2025.25
  Bottom Layer w12: v1(3210,2320) 3210,2385 3290,2465 3290,3025 3405,3140 3460,3140 3505,3185 3560,3185 IOL.3@3615,3240
IO6: IOL.2@3515,3240 ZU4.10@3342.76,1993.75 | length 1530.4
  Top Layer w12: v1(3175,2355) 3175,2063.89 3245.13,1993.75 ZU4.10@3333.07,1993.75
  Bottom Layer w12: v1(3175,2355) 3175,2395 3260,2480 3260,3030 3400,3170 3445,3170 IOL.2@3515,3240
IO7: IOL.1@3415,3240 ZU4.11@3342.76,1962.26 | length 1534.5
  Top Layer w12: v1(3135,2320) 3135,2060 3232.74,1962.26 ZU4.11@3333.07,1962.26
  Bottom Layer w12: v1(3135,2320) 3135,2395 3235,2495 3235,3060 IOL.1@3415,3240
IO8: IOH.10@3255,3240 ZU4.12@3342.76,1930.76 | length 1537.9
  Top Layer w12: v1(3095,2355) 3095,2060 3224.24,1930.76 ZU4.12@3333.07,1930.76
  Bottom Layer w12: v1(3095,2355) 3095,2395 3200,2500 3200,3185 IOH.10@3255,3240
IO9: IOH.9@3155,3240 ZU4.13@3342.76,1899.27 | length 1579.7
  Top Layer w12: v1(3055,2320) 3055,2065 3220.73,1899.27 ZU4.13@3333.07,1899.27
  Bottom Layer w12: v1(3055,2320) 3055,2386.11 3175,2506.11 3175,3050 3155,3070 IOH.9@3155,3240
L13: R2.1@2742.5,2080 U5'.1@2495,2035 U5'.2@2495,2085 U5.1@2578.19,2071.57 U5.2@2578.19,2097.17 | length 420.4
  Top Layer w10: U5'.1@2495,2035 U5'.2@2495,2085 ; R2.1@2742.5,2080 2734.07,2071.57 U5.1@2578.19,2071.57 ; U5'.2@2495,2085 2507.17,2097.17 U5.2@2578.19,2097.17 U5.1@2578.19,2071.57 ; U5'.2@2495,2085 2504.76,2085 2518.19,2071.57 U5.1@2578.19,2071.57
M8RXD: R14.2@2717.5,2460 U3.3@2450,2605 | length 353.9
  Top Layer w10: U3.3@2450,2605 2450,2560 2505,2505 2672.5,2505 R14.2@2717.5,2460